# Altium PCB LAY-94611_B.PcbDoc (part 16 of 16)
Units mil, origin at the board's own origin, x right, y up, seen from the top; angles counter-clockwise.
Board outline 4133.86 x 2559.05 mil, 10 copper layers (TOP, GND02, ART03, PWR04, PWR05, ART06, GND7, ART08, GND09, BOTTOM), stack 57.82 mil thick; 1104 components, 727 nets, 3774 pads, 1630 vias.
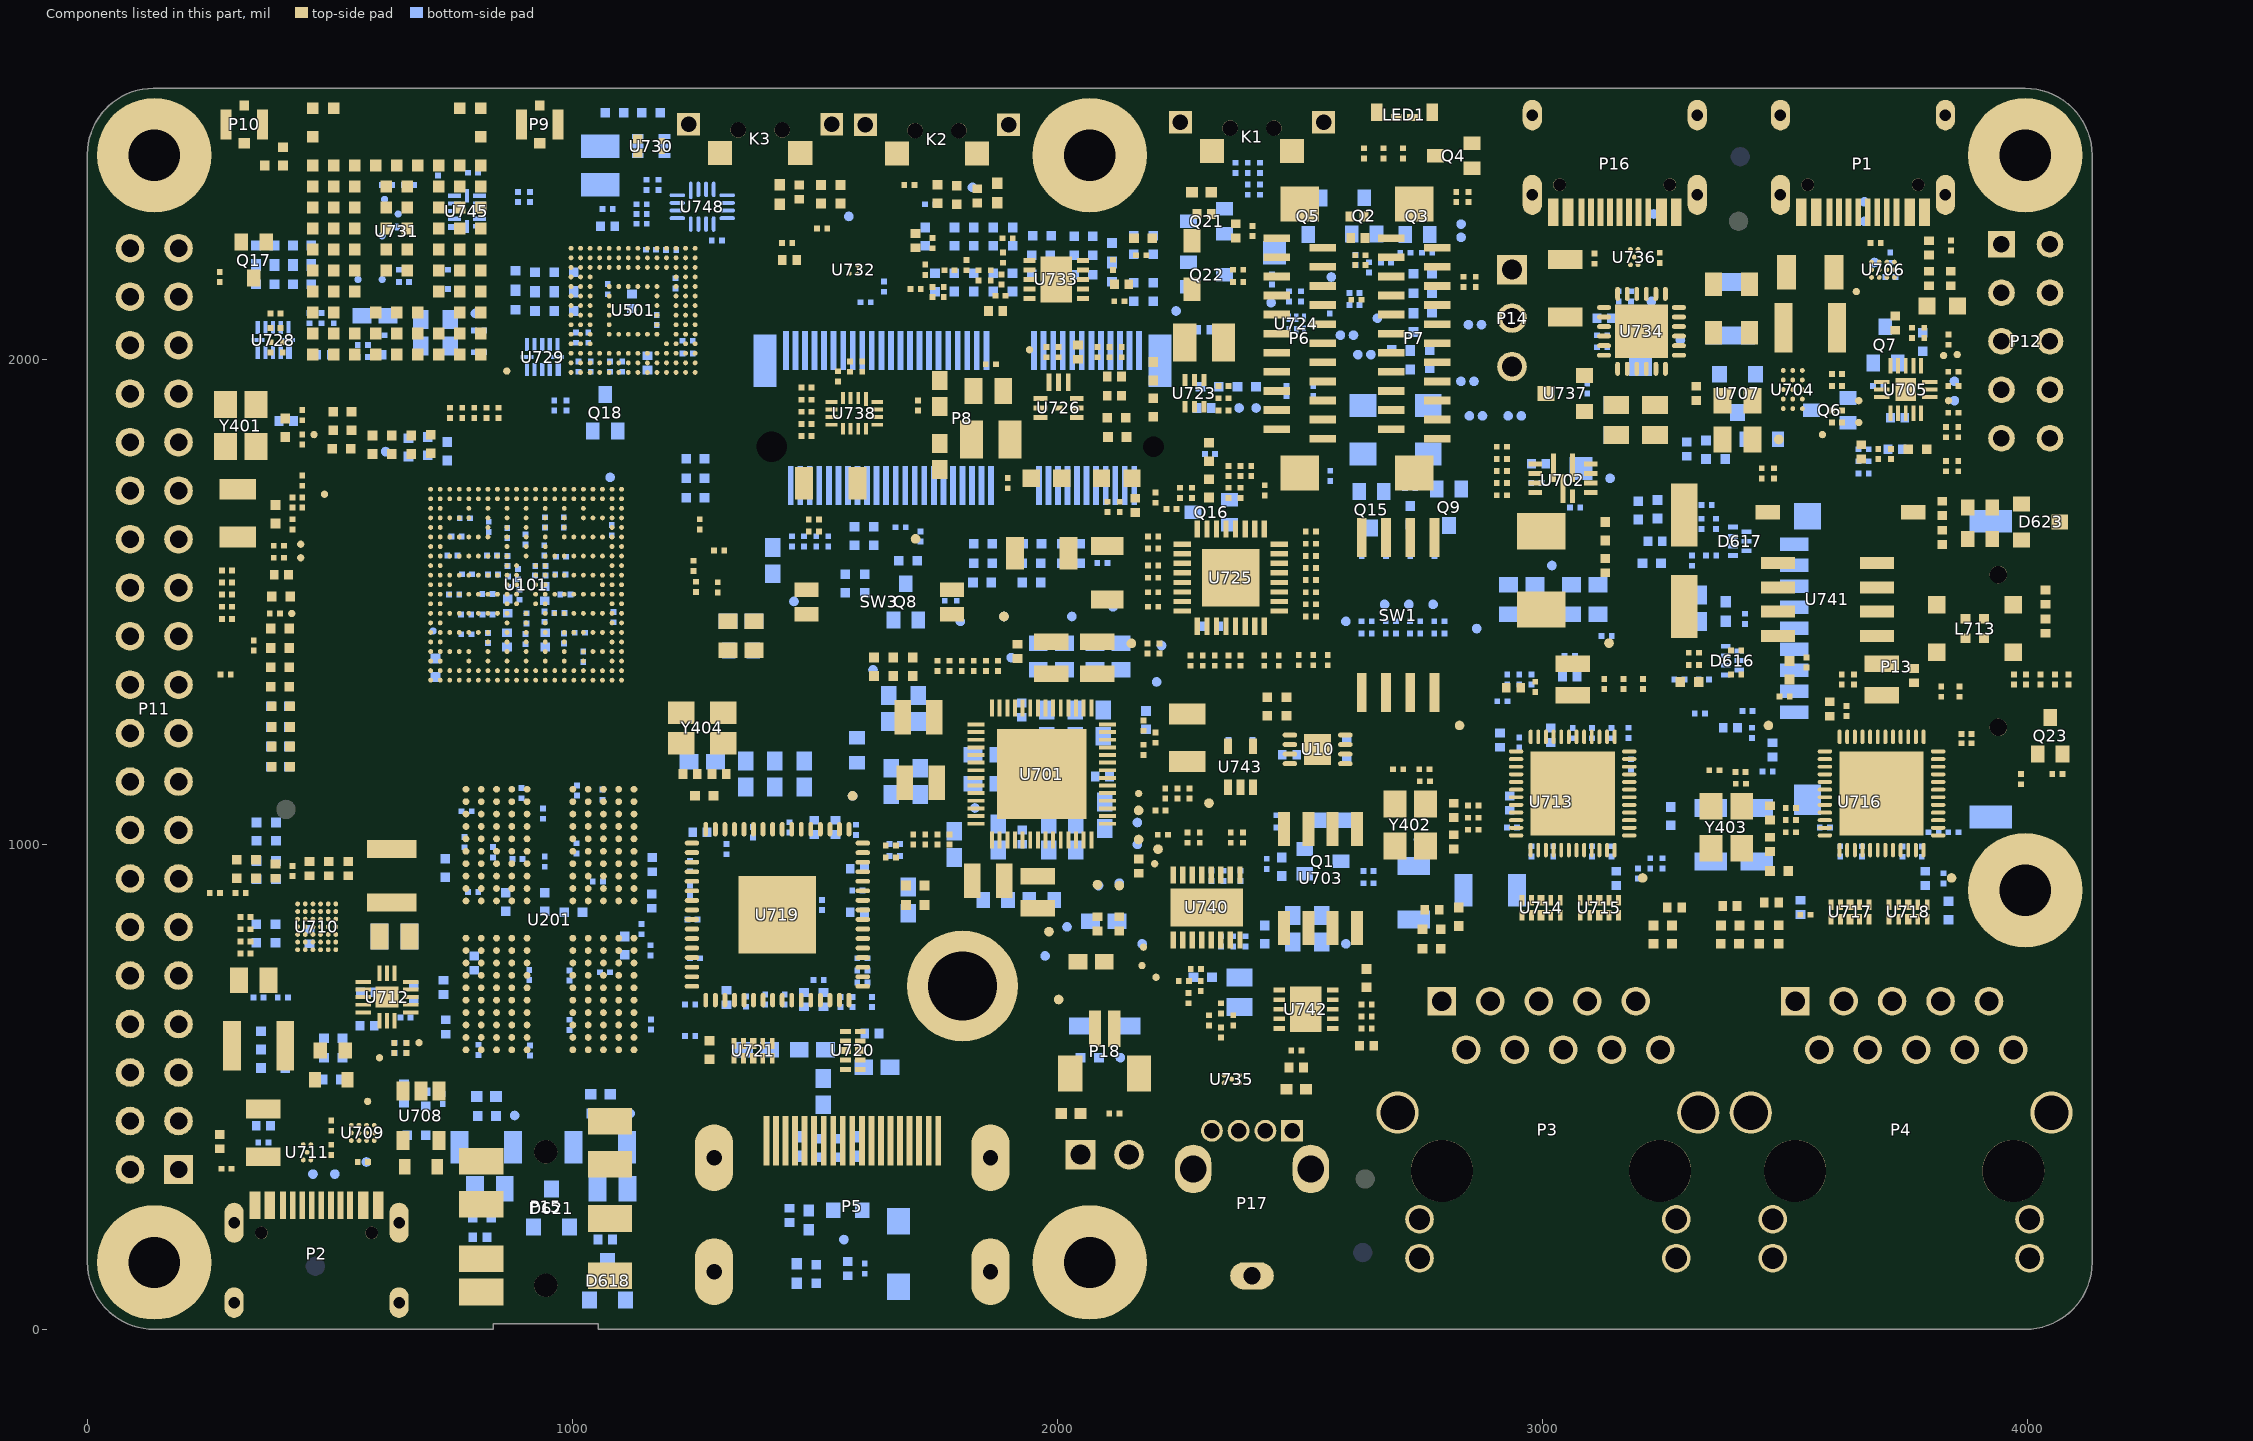
[diagram p24: the components of this part, seen from the top]

## Silkscreen, mask and mechanical layers (free items; w line width, h text height)
Top Overlay:
  drawing of 1397 lines, arcs and shapes, not listed
  text "ON" at 2155,2505 h45
  text "DEBUG" at 2941,2351 h45 r90
  text "POWER" at 3430,2350 h45 r90
  text "3V3" at 2565,2323 h30
  text "3V3" at 2352,2307 h30
  text "GND" at 2626,1894 h30 r90
  text "MIPI_CSI" at 2408,1891 h30 r90
  text "MIPI_DSI" at 2865,1889 h30 r90
  text "U101" at 825,1770 h30
  text "GND" at 2795,1748 h30
  text "0" at 2613,1683 h25
  text "1" at 2663,1682 h25
  text "2" at 2714,1682 h25
  text "3" at 2763,1681 h25
  text "BOOT" at 2465,1676 h25
  text "0-3" at 2801,1318 h25
  text "0100" at 2746,1241 h25
  text "eMMC" at 2619,1240 h25
  text "FRDM-IMX93" at 725,1210 h45
  text "1100" at 2745,1206 h25
  text "SD" at 2680,1203 h25
  text "1000" at 2746,1172 h25
  text "USB" at 2650,1169 h25
  text "13OF 16" at 5167,1006 h25
  text "13OF 16" at 5167,1006 h25
  text "PRIMARY SILKSCREEN" at 5692,1006 h25
  text "PRIMARY SILKSCREEN" at 5692,1006 h25
  text "ENET1" at 2967,761 h45
  text "ENET2" at 3560,760 h45
  text "3V" at 2063,679 h30
  text "HDMI" at 1570,462 h45
  text "MQS_L" at 805,396 h30 r90
  text "MQS_R" at 1200,275 h30 r90
  text "RESET" at 1921,272 h30
  text "GND" at 2121,270 h30
  text "GND" at 1202,123 h30 r90
  text "USB2_A" at 2585,35 h45 r90
  text "MQS" at 1140,22 h45
  text "USB1_C" at 730,14 h45 r90
Bottom Overlay:
  drawing of 169 lines, arcs and shapes, not listed
  text "ONOFF" at 2472,2509 h30
  text "BTN2" at 1445,2508 h30
  text "BTN1" at 1808,2506 h30
  text "3V3" at 3902,2285 h30 r90
  text "5V" at 4119,2271 h30 r90
  text "GND" at 315,2219 h30
  text "SW_CLK" at 3157,2172 h30
  text "A1" at 4118,2169 h30 r90
  text "A0" at 3902,2165 h30 r90
  text "GND" at 4117,2086 h30 r90
  text "INT" at 3901,2085 h30 r90
  text "E" at 1917,2081 h30
  text "DIO" at 3071,2073 h30
  text "SCL" at 3903,1980 h30 r90
  text "GND" at 3072,1971 h30
  text "H" at 4117,1953 h30 r90
  text "GND" at 18,1890 h30 r270
  text "SDA" at 3903,1872 h30 r90
  text "L" at 4118,1852 h30 r90
  text "CAN" at 4116,1739 h30
  text "GND" at 15,1690 h30 r270
  text "E" at 1933,1650 h30
  text "SCH-94611 REV B" at 2730,1295 h30
  text "700-94611 REV B" at 1135,1215 h30
  text "GND" at 16,1195 h30 r270
  text "2024 NXP SEMICONDUCTORS" at 2820,1100 h30
  text "16 OF 16" at 5164,1006 h25
  text "16 OF 16" at 5164,1006 h25
  text "SECONDARY SILKSCREEN" at 5664,1006 h25
  text "SECONDARY SILKSCREEN" at 5664,1006 h25
  text "GND" at 15,886 h30 r270
  text "GND" at 322,717 h30
  text "IO4" at 324,617 h30
  text "IO3" at 320,519 h30
  text "GND" at 15,489 h30 r270
  text "IO2" at 323,416 h30
  text "S/N" at 3870,360 h30
  text "5V" at 14,355 h30 r270
  text "3V3" at 324,316 h30
Top Paste:
  text "12OF 16" at 5167,1006 h25
  text "12OF 16" at 5167,1006 h25
  text "PASTEMASK TOP" at 5842,1006 h25
  text "PASTEMASK TOP" at 5842,1006 h25
Bottom Paste:
  text "15 OF 16" at 5161,1010 h25
  text "15 OF 16" at 5161,1010 h25
  text "SECONDARY PASTEMASK" at 5711,1010 h25
  text "SECONDARY PASTEMASK" at 5711,1010 h25
Top Solder:
  text "11OF 16" at 5167,1006 h25
  text "11OF 16" at 5167,1006 h25
  text "PRIMARY SOLDERMASK" at 5692,1006 h25
  text "PRIMARY SOLDERMASK" at 5692,1006 h25
Bottom Solder:
  text "14 OF 16" at 5161,1006 h25
  text "14 OF 16" at 5161,1006 h25
  text "SECONDARY SOLDERMASK" at 5661,1006 h25
  text "SECONDARY SOLDERMASK" at 5661,1006 h25
Outline:
  lines w1: 2066.93,0 1053.15,0 ; 0,137.79 ccw(c137.8,137.8) 137.8,0 ; 0,137.79 0,2421.26 ; 0,137.79 0,2421.26 ; 0,2421.26 cw(c137.79,2421.26) 137.8,2559.05 1315,2559.05 1460,2559.05 3996.07,2559.05 cw(c3996.07,2421.26) 4133.86,2421.26 ; 137.8,0 836.62,0 ; 137.8,0 836.62,0 ; 836.62,0 836.62,11.81 ; 836.62,0 836.62,11.81 ; 836.62,11.81 1053.15,11.81 1053.15,0 ; 1053.15,0 3996.07,0 ; 1053.15,0 3996.07,0 ; 3996.07,0 ccw(c3996.07,137.79) 4133.86,137.79 ; 4133.86,137.79 4133.86,2421.26 ; 4133.86,137.79 4133.86,2421.26
Top Courtyard:
  region: 354.4,1047.16 354.4,1097.16 384.4,1127.16 434.4,1127.16 464.4,1097.16 464.4,1047.16 434.4,1017.16 384.4,1017.16
  region: 2580,285 2580,335 2610,365 2660,365 2690,335 2690,285 2660,255 2610,255
  region: 3350,2260 3350,2310 3380,2340 3430,2340 3460,2310 3460,2260 3430,2230 3380,2230
Top Value:
  text "DEV" at 3330,2485 h51
  text "DEV" at 334.4,1272.16 h51
  text "DEV" at 2560,510 h51
Bottom Value:
  text "DEV" at 2704.9,358.16 h51
  text "DEV" at 545,330 h51
V Cut:
  drawing of 1789 lines, arcs and shapes, not listed
  text "V-cut" at 28.7,5721.29 h45 r90
  text "V-cut" at 28.7,5721.29 h45 r90
  text "V-cut" at 4162.57,5596.29 h45 r90
  text "V-cut" at 4162.57,5596.29 h45 r90
  text "5314.95" at -2440,5274.95 h80
  text "5314.95" at -2440,5274.95 h80
  text "135" at -1740,5274.95 h80
  text "135" at -1740,5274.95 h80
  text "2755.90" at -2400,2715.9 h80
  text "2755.90" at -2400,2715.9 h80
  text "70" at -1700,2715.9 h80
  text "70" at -1700,2715.9 h80
  text "2559.05" at -2375,2519.05 h80
  text "2559.05" at -2375,2519.05 h80
  text "65" at -1675,2519.05 h80
  text "65" at -1675,2519.05 h80
  text "137.79" at -2195,97.79 h80
  text "137.79" at -2195,97.79 h80
  text "3" at -1575,97.79 h80
  text "3" at -1575,97.79 h80
  text "0" at -1820,-40 h80
  text "0" at -1820,-40 h80
  text "0" at -1600,-40 h80
  text "0" at -1600,-40 h80
  text "FRDM-IMX93 REV B PANEL" at 550,-1175 h100
  text "4" at 177.8,-1725 h80 r90
  text "4" at 177.8,-1725 h80 r90
  text "0" at 40,-1775 h80 r90
  text "0" at 40,-1775 h80 r90
  text "110" at 4370.72,-1865 h80 r90
  text "110" at 4370.72,-1865 h80 r90
  text "105" at 4173.87,-1890 h80 r90
  text "105" at 4173.87,-1890 h80 r90
  text "0" at 40,-1995 h80 r90
  text "0" at 40,-1995 h80 r90
  text "137.80" at 177.8,-2345 h80 r90
  text "137.80" at 177.8,-2345 h80 r90
  text "4330.72" at 4370.72,-2565 h80 r90
  text "4330.72" at 4370.72,-2565 h80 r90
  text "4133.87" at 4173.87,-2590 h80 r90
  text "4133.87" at 4173.87,-2590 h80 r90
  text "D=The board thickness" at 1687.87,-3435.65 h51
  text "D=The board thickness" at 1687.87,-3435.65 h51
  text "B=0.35 0.1MM(0.8MM D 1.2MM)" at 1689.74,-3584.04 h51
  text "B=0.35 0.1MM(0.8MM D 1.2MM)" at 1689.74,-3584.04 h51
  text "B=0.40 0.1MM(1.2MM D 1.6MM)" at 1689.74,-3721.84 h51
  text "B=0.40 0.1MM(1.2MM D 1.6MM)" at 1689.74,-3721.84 h51
  text "B=0.50 0.1MM(1.6MM D 2.5MM)" at 1689.74,-3859.63 h51
  text "B=0.50 0.1MM(1.6MM D 2.5MM)" at 1689.74,-3859.63 h51
  text "Please confirm with EQ if the board thickness" at 1687.87,-4022.27 h51
  text "Please confirm with EQ if the board thickness" at 1687.87,-4022.27 h51
  text "is D<0.8MM or D>2.5MM when using V-CUT" at 1673.69,-4157.38 h51
  text "is D<0.8MM or D>2.5MM when using V-CUT" at 1673.69,-4157.38 h51
  text "C 0.5mm(Design Recommend)" at 1687.77,-4334.96 h25
  text "C 0.5mm(Design Recommend)" at 1687.77,-4334.96 h25
Sheet:
  drawing of 2547 lines, arcs and shapes, not listed
  text "FORLINX" at 20734,13609 h80
  text "4/9/2024" at 19717,13595 h80
  text "B" at 15170.41,13587.2 h125
  text "170-94611" at 14444.41,-3944.8 h175
  text "THIS DOCUMENT CONTAINS INFORMATION" at 13854.41,-4184.8 h63
  text "___ PUBI (PUBLIC INFORMATION)" at 11010.41,-4219.8 h63
  text "NXP SEMICONDUCTORS" at 17261.41,-4308.8 h225
  text "PROPRIETARY TO NXP AND SHALL" at 13854.41,-4309.8 h63
  text "NOT BE USED FOR ENGINEERING DESIGN" at 13854.41,-4434.8 h63
  text "___ NIUO (NXP INTERNAL USE ONLY)" at 11010.41,-4519.8 h63
  text "X" at 11050.41,-4519.8 h100
  text "PROCUREMENT OR MANUFACTURE IN WHOLE" at 13854.41,-4559.8 h63
  text "OR IN PART WITHOUT THE CONSENT OF" at 13854.41,-4684.8 h63
  text "NXP." at 13854.41,-4809.8 h63
  text "___ NCP (NXP CONFIDENTIAL PROPRIETARY)" at 11010.41,-4819.8 h63
  text "6501 WILLIAM CANNON DRIVE WEST  AUSTIN, TEXAS 78735 USA" at 16444.41,-4864.8 h94
  text "ALL PARTS, MATERIALS AND FINISHED" at 8584.73,-5141.18 h63
  text "ASSEMBLY SHALL MEET THE RoHS" at 8584.73,-5225.18 h63
  text "COMMISSION DELEGATED DIRECTIVE (EU)" at 8584.73,-5309.18 h63
  text "2015/863 OF 31 MARCH  2015 AMENDING" at 8584.73,-5393.18 h63
  text "FRDM-IMX93" at 17871,-5435 h175
  text "04/09/24" at 15504.41,-5449.8 h100
  text "FORLINX" at 13910.41,-5461.8 h100
  text "ANNEX II TO DIRECTIVE 2011/65/EU. A" at 8584.73,-5477.18 h63
  text "CERTIFICATE OF COMPLIANCE IS" at 8584.73,-5561.18 h63
  text "REQUIRED UPON REQUEST." at 8584.73,-5645.18 h63
  text "FORLINX" at 13900,-5870 h100
  text "04/09/24" at 15500.41,-5869.8 h100
  text "ALL PARTS, MATERIALS AND FINISHED" at 8560.73,-6100.18 h63
  text "ASSEMBLY SHALL NOT CONTAIN ANY OF" at 8560.73,-6184.18 h63
  text "FORLINX" at 13930,-6225 h100
  text "04/09/24" at 15494.41,-6264.8 h100
  text "THE SUBSTANCES OF VERY HIGH CONCERN" at 8560.73,-6268.18 h63
  text "B" at 21210.7,-6273.26 h175
  text "LAY-94611" at 16784.41,-6284.8 h125
  text "FAB-94611" at 18890.41,-6284.8 h175
  text "(SVHC) ABOVE THE THRESHOLD VALUE PER" at 8560.73,-6352.18 h63
  text "THE CURRENT ECHA LIST OF SVHC'S AND" at 8560.73,-6436.18 h63
  text "WITH ANNEX XIV AND ANNEX XVII OF REACH" at 8560.73,-6515.18 h63
  text "DIRECTIVE 76/769/EEC. A CERTIFICATE OF" at 8560.73,-6599.18 h63
  text "COMPLIANCE IS REQUIRED UPON REQUEST." at 8560.73,-6683.18 h63
  text "1/1" at 16830.41,-6684.8 h125
  text "1" at 20380.41,-6684.8 h125
  text "1" at 21280.41,-6684.8 h125
Component Holes:
  drawing of 206 lines, arcs and shapes, not listed
Top Pin Number:
  text "1" at 3418.4,2418.16 h25
  text "1" at 3395,2285 h25
  text "1" at 399.4,1072.16 h25
  text "1" at 2625,310 h25
  text "1" at 2639.9,158.16 h25
  text "1" at 480,130 h25
Dimensions - Btn LED MIPI:
  drawing of 9428 lines, arcs and shapes, not listed
  text "66,26mm" at 2467.7,3729.21 h80
  text "66,26mm" at 2467.7,3729.21 h80
  text "57mm" at 2746.02,3530.57 h80
  text "57mm" at 2746.02,3530.57 h80
  text "40,5mm" at 3006.82,3332.33 h80
  text "40,5mm" at 3006.82,3332.33 h80
  text "32.5mm" at 3164.4,3140.35 h80
  text "32.5mm" at 3164.4,3140.35 h80
  text "38mm" at 3120.03,2956.39 h80
  text "38mm" at 3120.03,2956.39 h80
  text "32mm" at 3238.14,2750.69 h80
  text "32mm" at 3238.14,2750.69 h80
  text "27mm" at 3336.39,2445.04 h80
  text "27mm" at 3336.39,2445.04 h80
  text "9,6mm" at 4196.68,2192.91 h80
  text "9,6mm" at 4196.68,2192.91 h80
  text "11mm" at 4514.39,2163.92 h80
  text "11mm" at 4514.39,2163.92 h80
Dimensions - Module:
  drawing of 4890 lines, arcs and shapes, not listed
  text "105mm" at 2016.93,3105.49 h25
  text "98mm" at 2026.93,2869.78 h25
  text "3.5mm" at 4428.18,2813.03 h25
  text "49mm" at 1062.36,2683.55 h25
  text "dia 2.7mm" at 488.41,2447.04 h25
  text "dia 6mm" at 502.96,2220.04 h25
  text "1.2mm" at 4609.56,2179.04 h25
  text "3.5mm" at 4363.81,2037.57 h25
  text "29mm" at -266.91,1811.02 h25
  text "38mm" at 4204.74,1633.86 h25
  text "65mm" at -624.98,1238.29 h25
  text "58mm" at -461.54,1237.72 h25
  text "29mm" at -266.91,669.29 h25
  text "2mm" at 4227.78,259.78 h25
  text "12mm" at 196.22,-201.33 h25
  text "8.5mm" at 2617.24,-219.23 h25
  text "24mm" at 432.44,-386.88 h25
  text "24mm" at 2499.37,-426.08 h25
  text "1.2mm" at -276.45,-427.26 h25
  text "40mm" at 747.4,-563.18 h25
  text "42.5mm" at 2843.55,-636.83 h25
  text "52.5mm" at 973.47,-747.12 h25
Bottom Courtyard:
  region: 3463.4,2393.16 3463.4,2443.16 3433.4,2473.16 3383.4,2473.16 3353.4,2443.16 3353.4,2393.16 3383.4,2363.16 3433.4,2363.16
  region: 525,105 525,155 495,185 445,185 415,155 415,105 445,75 495,75
  region: 2684.9,133.16 2684.9,183.16 2654.9,213.16 2604.9,213.16 2574.9,183.16 2574.9,133.16 2604.9,103.16 2654.9,103.16
Bottom Component Outline:
  lines w1: -25,0 25,0 ; 0,-25 0,25
Film Title Block:
  lines w10: 5117,1171 9117,1171 ; 5117,1471 5117,1671 9117,1671 ; 5617,971 5617,1171 ; 6867,1671 6867,1971 ; 6872,971 6872,1171 ; 7367,971 7367,1171
  lines w20: 5117,971 5117,1971 9117,1971 9117,971 5117,971
  text "NAME" at 6897,1891 h35
  text "NXP SEMICONDUCTORS" at 5172,1861 h25
  text "FRDM-IMX93" at 7725,1775 h63
  text "6501 WILLIAM CANNON DRIVE WEST" at 5147,1771 h35
  text "AUSTIN. TEXAS 78735 USA" at 5147,1701 h35
  text "THIS DOCUMENT CONTAINS INFORMATION" at 5207,1601 h35
  text "X" at 7054.01,1575.33 h63
  text "___ COMPANY PUBLIC" at 6997,1571 h35
  text "PROPRIETARY TO NXP AND SHALL NOT" at 5217,1521 h35
  text "BE USED FOR ENGINEERING DESIGN" at 5217,1441 h35
  text "___ COMPANY INTERNAL" at 6997,1411 h35
  text "PROCUREMENT OR MANUFACTURE IN WHOLE" at 5217,1361 h35
  text "OR IN PART WITHOUT THE CONSENT OF" at 5217,1281 h35
  text "___ COMPANY CONFIDENTIAL" at 6997,1246 h35
  text "NXP." at 5227,1201 h35
  text "SHEET" at 5147,1091 h35
  text "FILM" at 5647,1091 h35
  text "NUMBER" at 7397,1091 h35
  text "170-94611      REV B" at 7727,1021 h63
  text "24-06-24" at 6917,1011 h35
DXF - BOTTOM CONNECTOR OUTLINES:
  drawing of 2008 lines, arcs and shapes, not listed
  text "P43" at 1285.62,1857.68 h25 r90
  text "P3" at 3526.97,1211.65 h25 r90
TEMPORARY SWAP LAYER:
  drawing of 6909 lines, arcs and shapes, not listed
  text "4/9/2024" at 19778,13602 h80
  text "FORLINX" at 20769,13602 h80
  text "B" at 15170.41,13587.2 h125
  text "B" at 15170.41,13587.2 h125
  text "1. THIS DRAWING SPECIFIES THE REQUIREMENTS FOR A" at -10445.59,13215.2 h94
  text "1. THIS DRAWING SPECIFIES THE REQUIREMENTS FOR A" at -10445.59,13215.2 h94
  text "PRINTED WIRING BOARD IN ACCORDANCE" at -6145.59,13215.2 h94
  text "PRINTED WIRING BOARD IN ACCORDANCE" at -6145.59,13215.2 h94
  text "THE TOTAL THICKNESS:" at 4725.1,13140.43 h225
  text "THE TOTAL THICKNESS:" at 4725.1,13140.43 h225
  text "1.6MM +/- 10%" at 9489.59,13115.78 h225
  text "1.6MM +/- 10%" at 9489.59,13115.78 h225
  text "WITH SPECIFICATION IPC-A-600 CLASS 2 (LATEST REVISION)." at -10435.59,13015.2 h94
  text "WITH SPECIFICATION IPC-A-600 CLASS 2 (LATEST REVISION)." at -10435.59,13015.2 h94
  text "2. THE PWB MUST BE LEAD FREE ASSEMBLY PROCESS COMPATIBLE AND MUST BE ABLE TO HANDLE" at -10445.59,12615.2 h94
  text "2. THE PWB MUST BE LEAD FREE ASSEMBLY PROCESS COMPATIBLE AND MUST BE ABLE TO HANDLE" at -10445.59,12615.2 h94
  text "DIELECTRIC" at 9938.57,12460.99 h94
  text "DIELECTRIC" at 9938.57,12460.99 h94
  text "A MINIMUM OF 5 CYCLES AT 260 DEGREES CELSIUS FOR 10 SECONDS." at -10345.59,12415.2 h94
  text "A MINIMUM OF 5 CYCLES AT 260 DEGREES CELSIUS FOR 10 SECONDS." at -10345.59,12415.2 h94
  text "LAYERS STACKUP" at 4566.57,12384.77 h94
  text "LAYERS STACKUP" at 4566.57,12384.77 h94
  text "LAYER" at 6507.69,12384.77 h94
  text "LAYER" at 6507.69,12384.77 h94
  text "MATERIAL" at 7159.86,12384.77 h94
  text "MATERIAL" at 7159.86,12384.77 h94
  text "THICKNESS" at 7941.56,12384.77 h94
  text "THICKNESS" at 7941.56,12384.77 h94
  text "LAYER TYPE" at 8866.64,12384.77 h94
  text "LAYER TYPE" at 8866.64,12384.77 h94
  text "LOSS TANGENT" at 11138.57,12360.99 h94
  text "LOSS TANGENT" at 11138.57,12360.99 h94
  text "CONSTANT" at 9938.57,12260.99 h94
  text "CONSTANT" at 9938.57,12260.99 h94
  text "3. BASE MATERIAL - LAMINATE AND PREPREG SHALL MEET IPC-4101B-26, 83 or 98" at -10445.59,12015.2 h94
  text "3. BASE MATERIAL - LAMINATE AND PREPREG SHALL MEET IPC-4101B-26, 83 or 98" at -10445.59,12015.2 h94
  text "COPPER" at 7279.49,11912.33 h94
  text "COPPER" at 7279.49,11912.33 h94
  text "ROUTING" at 8971.64,11912.33 h94
  text "ROUTING" at 8971.64,11912.33 h94
  text "0.5 oz" at 8059.4,11908.38 h94
  text "0.5 oz" at 8059.4,11908.38 h94
  text "TOP" at 6575.3,11881.96 h94
  text "TOP" at 4944.3,11872.96 h94
  text "TOP" at 4944.3,11872.96 h94
  text "Tg - MUST BE GREATER THAN OR EQUAL TO 150 DEGREES CELSIUS." at -8599.59,11815.2 h94
  text "Tg - MUST BE GREATER THAN OR EQUAL TO 150 DEGREES CELSIUS." at -8599.59,11815.2 h94
  text "FR4" at 7384.49,11597.37 h94
  text "FR4" at 7384.49,11597.37 h94
  text "2.61MIL" at 8059.4,11591.51 h94
  text "2.61MIL" at 8059.4,11591.51 h94
  text "Td - MUST BE GREATER THAN OR EQUAL TO 330 DEGREES CELSIUS." at -8595.59,11591.2 h94
  text "Td - MUST BE GREATER THAN OR EQUAL TO 330 DEGREES CELSIUS." at -8595.59,11591.2 h94
  text "4.2" at 10083.27,11580.51 h94
  text "0.02" at 11469.18,11580.51 h94
  text "PREPREG" at 6395,11567 h94
  text "PREPREG" at 4764,11558 h94
  text "PREPREG" at 4764,11558 h94
  text "Er - MUST BE FROM 4.2 TO 4.4" at -8592.59,11400.2 h94
  text "COPPER" at 7279.49,11284.77 h94
  text "COPPER" at 7279.49,11284.77 h94
  text "PLANE" at 9041.64,11282.41 h94
  text "PLANE" at 9041.64,11282.41 h94
  text "1 OZ" at 8059.4,11265.41 h94
  text "1 OZ" at 8059.4,11265.41 h94
  text "L2 GND" at 6349.92,11252.04 h94
  text "L2 GND" at 4718.92,11243.04 h94
  text "L2 GND" at 4718.92,11243.04 h94
  text "4. COPPER FOIL WEIGHT - SEE STACKUP DETAIL 'A'" at -10445.59,11115.2 h94
  text "4. COPPER FOIL WEIGHT - SEE STACKUP DETAIL 'A'" at -10445.59,11115.2 h94
  text "CORE" at 6566.25,10975.62 h94
  text "CORE" at 4935.25,10966.62 h94
  text "FR4" at 7400,10945 h94
  text "3MIL" at 8093.17,10943.65 h94
  text "3MIL" at 8093.17,10943.65 h94
  text "4.2" at 10083.27,10941.51 h94
  text "0.02" at 11469.18,10941.51 h94
  text "5. CHARACTERISTIC IMPEDANCE - SEE DETAIL \"B\"" at -10445.59,10715.2 h94
  text "5. CHARACTERISTIC IMPEDANCE - SEE DETAIL \"B\"" at -10445.59,10715.2 h94
  text "1 OZ" at 8059.4,10660.41 h94
  text "1 OZ" at 8059.4,10660.41 h94
  text "COPPER" at 7279.49,10654.85 h94
  text "COPPER" at 7279.49,10654.85 h94
  text "ROUTING" at 8997.32,10638.76 h94
  text "ROUTING" at 8997.32,10638.76 h94
  text "L3 IN" at 6349.92,10622.12 h94
  text "L3 IN" at 4718.92,10613.12 h94
  text "L3 IN" at 4718.92,10613.12 h94
  text "FR4" at 7400,10330 h94
  text "6. MINIMUM CONDUCTIVE WIDTH/SPACING TO BE .008\"/.008\"" at -10445.59,10315.2 h94
  text "6. MINIMUM CONDUCTIVE WIDTH/SPACING TO BE .008\"/.008\"" at -10445.59,10315.2 h94
  text "8.8MIL" at 8021.2,10309.71 h94
  text "8.8MIL" at 8021.2,10309.71 h94
  text "PREPREG" at 6395,10307.16 h94
  text "4.2" at 10083.27,10307.11 h94
  text "0.02" at 11469.18,10307.11 h94
  text "PREPREG" at 4764,10298.16 h94
  text "PREPREG" at 4764,10298.16 h94
  text "PLANE" at 9046.32,10026.06 h94
  text "PLANE" at 9046.32,10026.06 h94
  text "COPPER" at 7279.49,10024.93 h94
  text "COPPER" at 7279.49,10024.93 h94
  text "1 OZ" at 8059.4,10016.41 h94
  text "1 OZ" at 8059.4,10016.41 h94
  text "L4 PWR" at 6349.92,9992.2 h94
  text "L4 POWER" at 4718.92,9983.2 h94
  text "L4 POWER" at 4718.92,9983.2 h94
  text "7. PLATING FINISH - BOTH SIDES ENIG (ELECTROLESS NICKEL IMMERSION GOLD):" at -10445.59,9915.2 h94
  text "7. PLATING FINISH - BOTH SIDES ENIG (ELECTROLESS NICKEL IMMERSION GOLD):" at -10445.59,9915.2 h94
  text "FR4" at 7450,9725 h94
  text "CORE" at 6395.76,9716.2 h94
  text ".05080-.232 MICRON (2-8 MICROINCH) OF GOLD OVER" at -8625.59,9715.2 h94
  text ".05080-.232 MICRON (2-8 MICROINCH) OF GOLD OVER" at -8625.59,9715.2 h94
  text "CORE" at 4764.76,9707.2 h94
  text "4MIL" at 8123.93,9703.57 h94
  text "4MIL" at 8123.93,9703.57 h94
  text "4.2" at 10083.27,9675.21 h94
  text "0.02" at 11469.18,9675.21 h94
  text "2.540-6.350 MICRON (100-250 MICROINCH) OF NICKEL." at -8879.59,9515.2 h94
  text "2.540-6.350 MICRON (100-250 MICROINCH) OF NICKEL." at -8879.59,9515.2 h94
  text "PLANE" at 9041.64,9393.77 h94
  text "PLANE" at 9041.64,9393.77 h94
  text "1 OZ" at 8059.4,9390.41 h94
  text "1 OZ" at 8059.4,9390.41 h94
  text "COPPER" at 7279.49,9375.05 h94
  text "COPPER" at 7279.49,9375.05 h94
  text "L5 PWR" at 6349.92,9362.27 h94
  text "L5 POWER" at 4718.92,9353.27 h94
  text "L5 POWER" at 4718.92,9353.27 h94
  text "8. ALL THROUGH HOLE VIAS MAY BE PLATED SHUT." at -10445.59,9115.2 h94
  text "8. ALL THROUGH HOLE VIAS MAY BE PLATED SHUT." at -10445.59,9115.2 h94
  text "8.8MIL" at 8059.4,9082.11 h94
  text "8.8MIL" at 8059.4,9082.11 h94
  text "FR4" at 7390,9080 h94
  text "4.2" at 10083.27,9071.11 h94
  text "0.02" at 11469.18,9071.11 h94
  text "PREPREG" at 6395,9047.31 h94
  text "PREPREG" at 4764,9038.31 h94
  text "PREPREG" at 4764,9038.31 h94
  text "21" at 13894.24,8941.7 h125
  text "1 oz" at 8059.4,8799.41 h94
  text "1 oz" at 8059.4,8799.41 h94
  text "L6 IN" at 6420,8785 h94
  text "L6 IN" at 4756.5,8748 h94
  text "COPPER" at 7279.49,8747.65 h94
  text "COPPER" at 7279.49,8747.65 h94
  text "ROUTING" at 8971.64,8747.65 h94
  text "ROUTING" at 8971.64,8747.65 h94
  text "9. SOLDERMASK -MATTE BLACK COLOR BOTH SIDES." at -10445.59,8715.2 h94
  text "9. SOLDERMASK -MATTE BLACK COLOR BOTH SIDES." at -10445.59,8715.2 h94
  text "8" at 13813.84,8702.73 h125
  text "MODIFICATION OF SOLDERMASK IS NOT ALLOWED WITHOUT WRITTEN PERMISSION FROM NXP" at -10439.59,8515.2 h94
  text "MODIFICATION OF SOLDERMASK IS NOT ALLOWED WITHOUT WRITTEN PERMISSION FROM NXP" at -10439.59,8515.2 h94
  text "CORE" at 6566.25,8450.62 h94
  text "CORE" at 4935.25,8441.62 h94
  text "4MIL" at 8093.17,8418.65 h94
  text "4.2" at 10083.27,8416.51 h94
  text "0.02" at 11469.18,8416.51 h94
  text "FR4" at 7345,8410 h94
  text "PLANE" at 9055,8150 h94
  text "1 OZ" at 8059.4,8135.41 h94
  text "COPPER" at 7279.49,8129.85 h94
  text "10. SILKSCREEN - WHITE EPOXY INK, BOTH SIDES.  NO SILK ON PADS." at -10445.59,8115.2 h94
  text "10. SILKSCREEN - WHITE EPOXY INK, BOTH SIDES.  NO SILK ON PADS." at -10445.59,8115.2 h94
  text "L7 GND" at 6400,8115 h94
  text "L7 GND" at 4718.92,8088.12 h94
  text "FR4" at 7400,7835 h94
  text "8.8MIL" at 8021.2,7784.71 h94
  text "PREPREG" at 6395,7782.16 h94
  text "4.2" at 10083.27,7782.11 h94
  text "0.02" at 11469.18,7782.11 h94
  text "PREPREG" at 4764,7773.16 h94
  text "11. ELECTRICAL TEST - 100% IPCD356.PCB FABRICATOR TO PERFORM A NET COMPARE AGAINST THE IPCD356 NETLIST PROVIDED BY NXP" at -10445.59,7715.2 h94
  text "11. ELECTRICAL TEST - 100% IPCD356.PCB FABRICATOR TO PERFORM A NET COMPARE AGAINST THE IPCD356 NETLIST PROVIDED BY NXP" at -10445.59,7715.2 h94
  text "COPPER" at 7279.49,7499.93 h94
  text "ROUTING" at 8945,7500 h94
  text "1 OZ" at 8059.4,7491.41 h94
  text "L8 IN" at 6400,7470 h94
  text "L8 IN" at 4718.92,7458.2 h94
  text "12. PRINTED WIRING BOARD IS TO BE INDIVIDUALLY BAGGED." at -10445.59,7315.2 h94
  text "12. PRINTED WIRING BOARD IS TO BE INDIVIDUALLY BAGGED." at -10445.59,7315.2 h94
  text "CORE" at 6395.76,7191.2 h94
  text "FR4" at 7460,7185 h94
  text "CORE" at 4764.76,7182.2 h94
  text "3MIL" at 8123.93,7178.57 h94
  text "4.2" at 10083.27,7150.21 h94
  text "0.02" at 11469.18,7150.21 h94
  text "13. DRC'S MUST BE RUN ON THE GERBER BEFORE BUILDING BOARDS," at -10445.59,6915.2 h94
  text "13. DRC'S MUST BE RUN ON THE GERBER BEFORE BUILDING BOARDS," at -10445.59,6915.2 h94
  text "PLANE" at 9041.64,6868.77 h94
  text "1 OZ" at 8059.4,6865.41 h94
  text "L9 GND" at 6410,6855 h94
  text "COPPER" at 7279.49,6850.05 h94
  text "L9 GND" at 4718.92,6828.27 h94
  text "UNLESS PRIOR APPROVAL IS GIVEN IN WRITING BY NXP." at -10445.59,6715.2 h94
  text "UNLESS PRIOR APPROVAL IS GIVEN IN WRITING BY NXP." at -10445.59,6715.2 h94
  text "FR4" at 7365,6585 h94
  text "2.61MIL" at 8059.4,6557.11 h94
  text "4.2" at 10083.27,6546.11 h94
  text "0.02" at 11469.18,6546.11 h94
  text "PREPREG" at 6395,6522.31 h94
  text "PREPREG" at 4764,6513.31 h94
  text "14. TEARDROPS MAYBE ADDED AT THE FAB HOUSE TO ALL SIGNAL LAYERS." at -10445.59,6315.2 h94
  text "14. TEARDROPS MAYBE ADDED AT THE FAB HOUSE TO ALL SIGNAL LAYERS." at -10445.59,6315.2 h94
  text "0.5 oz" at 8059.4,6274.41 h94
  text "COPPER" at 7279.49,6222.65 h94
  text "ROUTING" at 8971.64,6222.65 h94
  text "BOTTOM" at 6349.92,6207.35 h94
  text "BOTTOM" at 4718.92,6198.35 h94
  text "15. 2 SOLDER SAMPLES TO BE PROVIDED." at -10445.59,5915.2 h94
  text "15. 2 SOLDER SAMPLES TO BE PROVIDED." at -10445.59,5915.2 h94
  text "DETAIL A" at 7599.2,5728 h94
  text "16. SUPPLIER MARKINGS - ON SOLDER SIDE ONLY, WHERE SHOWN." at -10445.59,5114.2 h94
  text "16. SUPPLIER MARKINGS - ON SOLDER SIDE ONLY, WHERE SHOWN." at -10445.59,5114.2 h94
  text "- MUST BE UL RECOGNIZED AND MUST HAVE AN ID THAT CONFORMS TO UL94V-0" at -8425.59,4915.2 h94
  text "- MUST BE UL RECOGNIZED AND MUST HAVE AN ID THAT CONFORMS TO UL94V-0" at -8425.59,4915.2 h94
  text "17. THE PWB WILL BE MARKED AS LEAD FREE BY USE OF AN INK STAMP Pb" at -10445.59,4515.2 h94
  text "17. THE PWB WILL BE MARKED AS LEAD FREE BY USE OF AN INK STAMP Pb" at -10445.59,4515.2 h94
  text "18. THE PWB WILL BE MARKED AS LEAD FREE PROCESS COMPATIBLE BY USE OF AN INK STAMP 260 C" at -10445.59,4115.2 h94
  text "18. THE PWB WILL BE MARKED AS LEAD FREE PROCESS COMPATIBLE BY USE OF AN INK STAMP 260 C" at -10445.59,4115.2 h94
  text "19. ALL PLATED AND NON-PLATED THROUGH HOLES ARE TO BE DRILLED AT PRIMARY DRILL STEP." at -9747.99,3715.2 h94
  text "19. ALL PLATED AND NON-PLATED THROUGH HOLES ARE TO BE DRILLED AT PRIMARY DRILL STEP." at -9747.99,3715.2 h94
  text "ALL HOLE LOCATION TOLERANCES ARE TO BE +/-.002 IN REFERENCE TO THE PRIMARY DATUM." at -9405.19,3515.2 h94
  text "ALL HOLE LOCATION TOLERANCES ARE TO BE +/-.002 IN REFERENCE TO THE PRIMARY DATUM." at -9405.19,3515.2 h94
  text "20. FINISHED PCB MUST BE PANELIZED FOR ASSEMBLY ACCORDING TO CONTRACT MANUFACTURERS REQUIREMENTS." at -10445.59,3115.2 h94
  text "20. FINISHED PCB MUST BE PANELIZED FOR ASSEMBLY ACCORDING TO CONTRACT MANUFACTURERS REQUIREMENTS." at -10445.59,3115.2 h94
  text "THE ADDITION OF RAILS AND .125' NON-PLATED TOOLING HOLES ARE AT THE DISCRETION OF" at -10075.59,2915.2 h94
  text "THE ADDITION OF RAILS AND .125' NON-PLATED TOOLING HOLES ARE AT THE DISCRETION OF" at -10075.59,2915.2 h94
  text "CONTRACT MANUFACTURER.PANELIZATION MUST BE APPROVED BY CONTRACT MANUFACTURER." at -10075.59,2715.2 h94
  text "CONTRACT MANUFACTURER.PANELIZATION MUST BE APPROVED BY CONTRACT MANUFACTURER." at -10075.59,2715.2 h94
  text "21. THIS BOARD USES VIA-IN-PAD: SEE FAB_VIAFILL.ART" at -10878.76,2172.5 h94
  text "A. ALL VIAS USING 8.1 DRILL SIZES ARE TO BE FILLED WITH NON-CONDUCTIVE VIA FILL." at -10234.76,1969.5 h94
  text "LACKWERKE-PETERS PP2795 OR EQUIVALENT AND MADE PLANAR TO THE PADS." at -9866.76,1766.5 h94
  text "B. OVERPLATE THE FILLED VIA AND APPLY FINISH METAL TREATMENT." at -10234.76,1563.5 h94
  text "C. DIMPLE ON VIA-IN-PADS MUST BE NO GREATER THAN .003\" AND PROTRUSION NO GREATER THAN .002\"" at -10161.76,1356.5 h94
  text "DETAIL B" at 15755.51,870.29 h125
  text "DETAIL B" at 15755.51,870.29 h125
  text "IMPEDANCE REQUIREMENTS" at 15071.51,658.29 h125
  text "IMPEDANCE REQUIREMENTS" at 15071.51,658.29 h125
  text "IMPEDANCE TOLERANCE IS 10%" at 14871.51,458.29 h125
  text "IMPEDANCE TOLERANCE IS 10%" at 14871.51,458.29 h125
  text "Single Ended" at 8124.51,162.29 h63
  text "Single Ended" at 9774.51,162.29 h63
  text "Single Ended" at 9774.51,162.29 h63
  text "Differential" at 14320.51,154.29 h63
  text "Differential" at 14320.51,154.29 h63
  text "Impedance" at 12889.51,-38.71 h63
  text "Impedance" at 12889.51,-38.71 h63
  text "Impedance" at 15389.51,-38.71 h63
  text "Impedance" at 15389.51,-38.71 h63
  text "Impedance" at 18089.51,-38.71 h63
  text "Impedance" at 18089.51,-38.71 h63
  text "Impedance" at 8809.51,-43.71 h63
  text "Impedance" at 10459.51,-43.71 h63
  text "Impedance" at 10459.51,-43.71 h63
  text "Layers" at 7170.51,-45.71 h80
  text "Trace Spacing" at 11970.51,-45.71 h63
  text "Trace Spacing" at 11970.51,-45.71 h63
  text "Trace Spacing" at 14470.51,-45.71 h63
  text "Trace Spacing" at 14470.51,-45.71 h63
  text "Trace Spacing" at 17170.51,-45.71 h63
  text "Trace Spacing" at 17170.51,-45.71 h63
  text "Trace Width" at 7974.51,-53.71 h63
  text "Trace Width" at 9624.51,-53.71 h63
  text "Trace Width" at 9624.51,-53.71 h63
  text "Trace Width" at 11184.51,-53.71 h63
  text "Trace Width" at 11184.51,-53.71 h63
  text "Trace Width" at 13684.51,-53.71 h63
  text "Trace Width" at 13684.51,-53.71 h63
  text "Trace Width" at 16384.51,-53.71 h63
  text "Trace Width" at 16384.51,-53.71 h63
  text "(Mils)" at 8020.51,-145.71 h63
  text "(Ohms)" at 8820.51,-145.71 h63
  text "(Mils)" at 9670.51,-145.71 h63
  text "(Mils)" at 9670.51,-145.71 h63
  text "(Ohms)" at 10470.51,-145.71 h63
  text "(Ohms)" at 10470.51,-145.71 h63
  text "(Mils)" at 11220.51,-145.71 h63
  text "(Mils)" at 11220.51,-145.71 h63
  text "\"Airgap\"" at 11970.51,-145.71 h63
  text "\"Airgap\"" at 11970.51,-145.71 h63
  text "(Ohms)" at 12920.51,-145.71 h63
  text "(Ohms)" at 12920.51,-145.71 h63
  text "(Mils)" at 13720.51,-145.71 h63
  text "(Mils)" at 13720.51,-145.71 h63
  text "\"Airgap\"" at 14470.51,-145.71 h63
  text "\"Airgap\"" at 14470.51,-145.71 h63
  text "(Ohms)" at 15420.51,-145.71 h63
  text "(Ohms)" at 15420.51,-145.71 h63
  text "(Mils)" at 16420.51,-145.71 h63
  text "(Mils)" at 16420.51,-145.71 h63
  text "\"Airgap\"" at 17170.51,-145.71 h63
  text "\"Airgap\"" at 17170.51,-145.71 h63
  text "(Ohms)" at 18120.51,-145.71 h63
  text "(Ohms)" at 18120.51,-145.71 h63
  text "(Mils)" at 12158.51,-260.71 h63
  text "(Mils)" at 12158.51,-260.71 h63
  text "(Mils)" at 14658.51,-260.71 h63
  text "(Mils)" at 14658.51,-260.71 h63
  text "(Mils)" at 17358.51,-260.71 h63
  text "(Mils)" at 17358.51,-260.71 h63
  text "L1_TOP" at 7254.96,-434.28 h80
  text "3.62" at 8317.38,-436.73 h80
  text "13" at 9967.38,-436.73 h80
  text "3.49" at 13864.38,-445.23 h80
  text "90" at 15545.18,-444.7 h80
  text "2.79" at 16614.38,-445.23 h80
  text "100" at 18295.18,-444.7 h80
  text "50" at 9139.23,-453.18 h80
  text "50" at 10789.23,-453.18 h80
  text "5.34" at 14686.23,-461.68 h80
  text "6.01" at 17436.23,-461.68 h80
  text "PRIMARY DATUM" at -1124,-479.81 h188
  text "L3_IN1" at 7263.04,-810.78 h80
  text "50" at 9167.71,-814.11 h80
  text "GRID ORIGIN" at -1158,-821.81 h188
  text "3.34" at 13942.38,-824.13 h80
  text "90" at 15623.18,-823.6 h80
  text "6.66" at 14764.23,-840.58 h80
  text "3.09" at 8360.78,-843.43 h80
  text "50" at 9142.71,-1214.11 h80
  text "3.64" at 13867.38,-1224.13 h80
  text "90" at 15548.18,-1223.6 h80
  text "L6_IN2" at 7275,-1225 h80
  text "5.16" at 14689.23,-1240.58 h80
  text "4" at 8335.78,-1243.43 h80
  text "50" at 9117.71,-1614.11 h80
  text "3.34" at 13842.38,-1624.13 h80
  text "90" at 15523.18,-1623.6 h80
  text "2.81" at 16592.38,-1624.13 h80
  text "100" at 18273.18,-1623.6 h80
  text "L8_IN3" at 7275,-1625 h80
  text "6.66" at 14664.23,-1640.58 h80
  text "9.19" at 17414.23,-1640.58 h80
  text "3.09" at 8310.78,-1643.43 h80
  text "50" at 9178.23,-2024.74 h80
  text "3.62" at 8364.56,-2031.96 h80
  text "3.88" at 11427.38,-2035.43 h80
  text "85" at 13108.18,-2034.9 h80
  text "L10_BOT" at 7175.32,-2036.44 h80
  text "4.92" at 12249.23,-2051.88 h80
  text "3.49" at 13902.38,-2060.43 h80
  text "90" at 15583.18,-2059.9 h80
  text "2.79" at 16652.38,-2060.43 h80
  text "100" at 18333.18,-2059.9 h80
  text "5.34" at 14724.23,-2076.88 h80
  text "6.01" at 17474.23,-2076.88 h80
  text "D=The board thickness" at 1687.87,-3435.65 h51
  text "D=The board thickness" at 1687.87,-3435.65 h51
  text "B=0.35 0.1MM(0.8MM D 1.2MM)" at 1689.74,-3584.04 h51
  text "B=0.35 0.1MM(0.8MM D 1.2MM)" at 1689.74,-3584.04 h51
  text "B=0.40 0.1MM(1.2MM D 1.6MM)" at 1689.74,-3721.84 h51
  text "B=0.40 0.1MM(1.2MM D 1.6MM)" at 1689.74,-3721.84 h51
  text "B=0.50 0.1MM(1.6MM D 2.5MM)" at 1689.74,-3859.63 h51
  text "B=0.50 0.1MM(1.6MM D 2.5MM)" at 1689.74,-3859.63 h51
  text "170-94611" at 14444.41,-3944.8 h175
  text "170-94611" at 14444.41,-3944.8 h175
  text "Please confirm with EQ if the board thickness" at 1687.87,-4022.27 h51
  text "Please confirm with EQ if the board thickness" at 1687.87,-4022.27 h51
  text "is D<0.8MM or D>2.5MM when using V-CUT" at 1673.69,-4157.38 h51
  text "is D<0.8MM or D>2.5MM when using V-CUT" at 1673.69,-4157.38 h51
  text "THIS DOCUMENT CONTAINS INFORMATION" at 13854.41,-4184.8 h63
  text "THIS DOCUMENT CONTAINS INFORMATION" at 13854.41,-4184.8 h63
  text "___ PUBI (PUBLIC INFORMATION)" at 11010.41,-4219.8 h63
  text "___ PUBI (PUBLIC INFORMATION)" at 11010.41,-4219.8 h63
  text "NXP SEMICONDUCTORS" at 17261.41,-4308.8 h225
  text "NXP SEMICONDUCTORS" at 17261.41,-4308.8 h225
  text "PROPRIETARY TO NXP AND SHALL" at 13854.41,-4309.8 h63
  text "PROPRIETARY TO NXP AND SHALL" at 13854.41,-4309.8 h63
  text "C 0.5mm(Design Recommend)" at 1687.77,-4334.96 h25
  text "C 0.5mm(Design Recommend)" at 1687.77,-4334.96 h25
  text "NOT BE USED FOR ENGINEERING DESIGN" at 13854.41,-4434.8 h63
  text "NOT BE USED FOR ENGINEERING DESIGN" at 13854.41,-4434.8 h63
  text "___ NIUO (NXP INTERNAL USE ONLY)" at 11010.41,-4519.8 h63
  text "___ NIUO (NXP INTERNAL USE ONLY)" at 11010.41,-4519.8 h63
  text "X" at 11050.41,-4519.8 h100
  text "X" at 11050.41,-4519.8 h100
  text "PROCUREMENT OR MANUFACTURE IN WHOLE" at 13854.41,-4559.8 h63
  text "PROCUREMENT OR MANUFACTURE IN WHOLE" at 13854.41,-4559.8 h63
  text "OR IN PART WITHOUT THE CONSENT OF" at 13854.41,-4684.8 h63
  text "OR IN PART WITHOUT THE CONSENT OF" at 13854.41,-4684.8 h63
  text "NXP." at 13854.41,-4809.8 h63
  text "NXP." at 13854.41,-4809.8 h63
  text "___ NCP (NXP CONFIDENTIAL PROPRIETARY)" at 11010.41,-4819.8 h63
  text "___ NCP (NXP CONFIDENTIAL PROPRIETARY)" at 11010.41,-4819.8 h63
  text "6501 WILLIAM CANNON DRIVE WEST  AUSTIN, TEXAS 78735 USA" at 16444.41,-4864.8 h94
  text "6501 WILLIAM CANNON DRIVE WEST  AUSTIN, TEXAS 78735 USA" at 16444.41,-4864.8 h94
  text "ALL PARTS, MATERIALS AND FINISHED" at 8584.73,-5141.18 h63
  text "ASSEMBLY SHALL MEET THE RoHS" at 8584.73,-5225.18 h63
  text "COMMISSION DELEGATED DIRECTIVE (EU)" at 8584.73,-5309.18 h63
  text "2015/863 OF 31 MARCH  2015 AMENDING" at 8584.73,-5393.18 h63
  text "04/09/24" at 15504.41,-5449.8 h100
  text "04/09/24" at 15504.41,-5449.8 h100
  text "FRDM-IMX93" at 18025,-5450 h175
  text "FRDM-IMX93" at 18025,-5450 h175
  text "FORLINX" at 13910.41,-5461.8 h100
  text "FORLINX" at 13910.41,-5461.8 h100
  text "ANNEX II TO DIRECTIVE 2011/65/EU. A" at 8584.73,-5477.18 h63
  text "CERTIFICATE OF COMPLIANCE IS" at 8584.73,-5561.18 h63
  text "REQUIRED UPON REQUEST." at 8584.73,-5645.18 h63
  text "FORLINX" at 13900,-5870 h100
  text "04/09/24" at 15500.41,-5869.8 h100
  text "04/09/24" at 15500.41,-5869.8 h100
  text "ALL PARTS, MATERIALS AND FINISHED" at 8560.73,-6100.18 h63
  text "ASSEMBLY SHALL NOT CONTAIN ANY OF" at 8560.73,-6184.18 h63
  text "FORLINX" at 13930,-6225 h100
  text "04/09/24" at 15494.41,-6264.8 h100
  text "04/09/24" at 15494.41,-6264.8 h100
  text "THE SUBSTANCES OF VERY HIGH CONCERN" at 8560.73,-6268.18 h63
  text "B" at 21210.7,-6273.26 h175
  text "B" at 21210.7,-6273.26 h175
  text "LAY-94611" at 16784.41,-6284.8 h125
  text "LAY-94611" at 16784.41,-6284.8 h125
  text "FAB-94611" at 18890.41,-6284.8 h175
  text "FAB-94611" at 18890.41,-6284.8 h175
  text "(SVHC) ABOVE THE THRESHOLD VALUE PER" at 8560.73,-6352.18 h63
  text "THE CURRENT ECHA LIST OF SVHC'S AND" at 8560.73,-6436.18 h63
  text "WITH ANNEX XIV AND ANNEX XVII OF REACH" at 8560.73,-6515.18 h63
  text "DIRECTIVE 76/769/EEC. A CERTIFICATE OF" at 8560.73,-6599.18 h63
  text "COMPLIANCE IS REQUIRED UPON REQUEST." at 8560.73,-6683.18 h63
  text "1/1" at 16830.41,-6684.8 h125
  text "1" at 20380.41,-6684.8 h125
  text "1" at 21280.41,-6684.8 h125
Badge_Outline:
  circle w1: c3996.06,2421.26 r118.12
  circle w1: c3996.06,2421.26 r118.12
  circle w1: c137.8,2421.26 r53.15
  circle w1: c137.8,2421.26 r53.15
  circle w1: c137.8,137.79 r53.15
  circle w1: c137.8,137.79 r53.15
  circle w1: c2066.93,137.79 r118.11
  circle w1: c2066.93,137.79 r118.11
  circle w1: c2066.93,2421.26 r53.15
  circle w1: c2066.93,2421.26 r53.15
  circle w1: c137.8,137.79 r118.11
  circle w1: c137.8,137.79 r118.11
  circle w1: c3996.06,925.19 r53.15
  circle w1: c3996.06,925.19 r53.15
  circle w1: c3996.06,2421.26 r53.15
  circle w1: c3996.06,2421.26 r53.15
  circle w1: c137.8,2421.26 r118.11
  circle w1: c137.8,2421.26 r118.11
  circle w1: c2066.93,137.79 r53.15
  circle w1: c2066.93,137.79 r53.15
  circle w1: c3996.06,925.19 r118.12
  circle w1: c3996.06,925.19 r118.12
  circle w1: c2066.93,2421.26 r118.11
  circle w1: c2066.93,2421.26 r118.11
  lines w1: 0,137.79 ccw(c137.8,137.8) 137.8,0 ; 0,137.79 ccw(c137.8,137.8) 137.8,0 ; 0,137.79 ccw(c137.79,137.79) 137.8,0 ; 0,137.79 ccw(c137.79,137.79) 137.8,0 ; 0,137.79 0,2421.26 ; 0,137.79 0,2421.26 ; 0,137.79 0,2421.26 ; 0,137.79 0,2421.26 ; 0,2421.26 cw(c137.79,2421.26) 137.8,2559.05 ; 0,2421.26 cw(c137.79,2421.26) 137.8,2559.05 ; 0,2421.26 cw(c137.79,2421.26) 137.8,2559.05 ; 0,2421.26 cw(c137.79,2421.26) 137.8,2559.05 ; 137.8,0 836.62,0 ; 137.8,0 836.62,0 ; 137.8,0 836.62,0 ; 137.8,0 836.62,0 ; 137.8,2559.05 3996.07,2559.05 ; 137.8,2559.05 3996.07,2559.05 ; 137.8,2559.05 2066.93,2559.05 137.8,2559.05 ; 836.62,0 836.62,11.81 ; 836.62,0 836.62,11.81 ; 836.62,11.81 1053.15,11.81 ; 836.62,11.81 1053.15,11.81 ; 1053.15,0 2066.93,0 1053.15,0 ; 1053.15,0 1053.15,11.81 ; 1053.15,0 1053.15,11.81 ; 1053.15,0 3996.07,0 ; 1053.15,0 3996.07,0 ; 3996.07,0 ccw(c3996.07,137.79) 4133.86,137.79 ; 3996.07,0 ccw(c3996.07,137.79) 4133.86,137.79 ; 3996.07,2559.05 cw(c3996.07,2421.26) 4133.86,2421.26 ; 3996.07,2559.05 cw(c3996.07,2421.26) 4133.86,2421.26 ; 4133.86,137.79 4133.86,2421.26 ; 4133.86,137.79 4133.86,2421.26

## Text inside footprints (layer, text, board x,y; h text height)
BH1: Bottom Pin Number "1" at 1807.47,695.42 h25
BH2: Top Pin Number "1" at 133.8,2421.26 h10
BH3: Top Pin Number "1" at 2062.93,2421.26 h10
BH4: Top Pin Number "1" at 3992.06,2421.25 h10
BH5: Top Pin Number "1" at 3992.06,905.51 h10
BH6: Top Pin Number "1" at 2062.93,137.79 h10
BH7: Top Pin Number "1" at 133.8,137.79 h10
C101: Bottom Pin Number "1" at 821.14,1562.23 h10 r180; Bottom Pin Number "2" at 845.38,1562.23 h10 r180
C102: Bottom Pin Number "1" at 818.96,1601 h10 r180; Bottom Pin Number "2" at 843.2,1601 h10 r180
C106: Bottom Pin Number "2" at 942.71,1560.05 h10 r180; Bottom Pin Number "1" at 918.47,1560.05 h10 r180
C107: Bottom Pin Number "1" at 872.38,1557.06 h10 r90; Bottom Pin Number "2" at 872.38,1532.82 h10 r90
C108: Bottom Pin Number "1" at 862.95,1505.52 h10 r270; Bottom Pin Number "2" at 862.95,1471.71 h10 r270
C109: Bottom Pin Number "1" at 918.57,1579.49 h10 r180; Bottom Pin Number "2" at 942.81,1579.49 h10 r180
C110: Bottom Pin Number "1" at 871.35,1599.76 h10 r90; Bottom Pin Number "2" at 871.35,1575.52 h10 r90
C111: Bottom Pin Number "1" at 882.58,1542.11 h10 r270; Bottom Pin Number "2" at 882.58,1566.35 h10 r270
C114: Bottom Pin Number "1" at 896.67,1530.09 h10 r90; Bottom Pin Number "2" at 896.67,1505.85 h10 r90
C116: Bottom Pin Number "1" at 902.05,964.43 h10; Bottom Pin Number "2" at 877.81,964.43 h10
C117: Bottom Pin Number "1" at 1037.19,928.92 h10 r180; Bottom Pin Number "2" at 1061.43,928.92 h10 r180
C118: Bottom Pin Number "1" at 798.09,1551.58 h10; Bottom Pin Number "2" at 773.85,1551.58 h10
C119: Bottom Pin Number "1" at 1179.27,2096.77 h10 r90; Bottom Pin Number "2" at 1179.27,2072.53 h10 r90
C124: Bottom Pin Number "1" at 938.96,1531.56 h10 r270; Bottom Pin Number "2" at 938.96,1497.75 h10 r270
C129: Bottom Pin Number "1" at 1086.7,1663.38 h10 r90; Bottom Pin Number "2" at 1086.7,1639.14 h10 r90
C130: Bottom Pin Number "1" at 908.44,1644.4 h10 r90; Bottom Pin Number "2" at 908.44,1620.16 h10 r90
C131: Bottom Pin Number "1" at 809.64,1479.67 h10 r180; Bottom Pin Number "2" at 833.88,1479.67 h10 r180
C132: Bottom Pin Number "1" at 871,1657.36 h10 r90; Bottom Pin Number "2" at 871,1633.12 h10 r90
C134: Bottom Pin Number "1" at 991.9,1587.62 h10; Bottom Pin Number "2" at 967.66,1587.62 h10
C135: Bottom Pin Number "1" at 809.35,1521.59 h10 r180; Bottom Pin Number "2" at 833.59,1521.59 h10 r180
C136: Bottom Pin Number "1" at 940.17,1436.08 h10 r270; Bottom Pin Number "2" at 940.17,1402.27 h10 r270
C137: Bottom Pin Number "1" at 947.76,1485.02 h10 r90; Bottom Pin Number "2" at 947.76,1460.78 h10 r90
C138: Bottom Pin Number "1" at 1016.97,1371.63 h10 r270; Bottom Pin Number "2" at 1016.97,1395.87 h10 r270
C139: Bottom Pin Number "1" at 780.09,907.2 h10 r180; Bottom Pin Number "2" at 804.33,907.2 h10 r180
C140: Bottom Pin Number "1" at 977.36,1409.39 h10 r270; Bottom Pin Number "2" at 977.36,1433.63 h10 r270
C141: Bottom Pin Number "1" at 1155.42,766.24 h10 r270; Bottom Pin Number "2" at 1155.42,790.48 h10 r270
C142: Top Pin Number "2" at 1314.92,1392.88 h15; Top Pin Number "1" at 1368.92,1392.88 h15
C143: Top Pin Number "2" at 1314.92,1452.88 h15; Top Pin Number "1" at 1368.92,1452.88 h15
C144: Bottom Pin Number "1" at 796.77,1427.77 h10; Bottom Pin Number "2" at 772.53,1427.77 h10
C145: Bottom Pin Number "1" at 1000.71,1509.86 h10; Bottom Pin Number "2" at 976.47,1509.86 h10
C146: Bottom Pin Number "1" at 936.76,1591.09 h10 r270; Bottom Pin Number "2" at 936.76,1615.33 h10 r270
C147: Bottom Pin Number "1" at 832.79,1670 h10 r90; Bottom Pin Number "2" at 832.79,1645.76 h10 r90
C148: Bottom Pin Number "1" at 793.7,1667.19 h10; Bottom Pin Number "2" at 769.46,1667.19 h10
C149: Bottom Pin Number "1" at 796.28,1468.83 h10; Bottom Pin Number "2" at 772.04,1468.83 h10
C151: Bottom Pin Number "2" at 861.47,1402.15 h10 r270; Bottom Pin Number "1" at 861.47,1435.96 h10 r270
C152: Bottom Pin Number "1" at 797.32,1062.84 h10; Bottom Pin Number "2" at 773.08,1062.84 h10
C153: Bottom Pin Number "1" at 800.74,560.8 h10 r270; Bottom Pin Number "2" at 800.74,585.04 h10 r270
C154: Bottom Pin Number "1" at 988.46,612.57 h10 r270; Bottom Pin Number "2" at 988.46,636.81 h10 r270
C155: Bottom Pin Number "1" at 1067.38,2129.71 h10 r270; Bottom Pin Number "2" at 1067.38,2153.95 h10 r270
C156: Bottom Pin Number "1" at 988.38,1471.58 h10; Bottom Pin Number "2" at 964.14,1471.58 h10
C201: Bottom Pin Number "1" at 1160.72,972.47 h10 r270; Bottom Pin Number "2" at 1160.72,938.66 h10 r270
C202: Bottom Pin Number "1" at 737.91,690.94 h10 r90; Bottom Pin Number "2" at 737.91,724.75 h10 r90
C203: Bottom Pin Number "1" at 1207.43,2141.63 h10 r270; Bottom Pin Number "2" at 1207.43,2165.87 h10 r270
C204: Bottom Pin Number "1" at 1089.95,1483.73 h10 r90; Bottom Pin Number "2" at 1089.95,1459.49 h10 r90
C205: Bottom Pin Number "1" at 990.63,1551.23 h10; Bottom Pin Number "2" at 966.39,1551.23 h10
C206: Bottom Pin Number "1" at 1167.6,868.48 h10 r90; Bottom Pin Number "2" at 1167.6,902.29 h10 r90
C207: Bottom Pin Number "1" at 801.65,740.66 h10 r90; Bottom Pin Number "2" at 801.65,774.47 h10 r90
C208: Bottom Pin Number "1" at 1014.21,1007.13 h10 r90; Bottom Pin Number "2" at 1014.21,982.89 h10 r90
C209: Bottom Pin Number "1" at 1177.34,2220.7 h10; Bottom Pin Number "2" at 1153.1,2220.7 h10
C210: Bottom Pin Number "1" at 910.94,1481.52 h10 r90; Bottom Pin Number "2" at 910.94,1457.28 h10 r90
C211: Bottom Pin Number "1" at 988.9,714.36 h10 r270; Bottom Pin Number "2" at 988.9,738.6 h10 r270
C212: Bottom Pin Number "1" at 999.98,1441.65 h10 r180; Bottom Pin Number "2" at 1024.22,1441.65 h10 r180
C213: Bottom Pin Number "1" at 905.72,715.24 h10 r270; Bottom Pin Number "2" at 905.72,739.48 h10 r270
C214: Bottom Pin Number "1" at 937.72,949 h10 r270; Bottom Pin Number "2" at 937.72,973.24 h10 r270
C215: Bottom Pin Number "1" at 734.81,637.68 h10 r270; Bottom Pin Number "2" at 734.81,603.87 h10 r270
C216: Bottom Pin Number "1" at 1156.85,613.19 h10 r270; Bottom Pin Number "2" at 1156.85,637.43 h10 r270
C217: Bottom Pin Number "1" at 830.94,968.46 h10 r270; Bottom Pin Number "2" at 830.94,992.7 h10 r270
C218: Bottom Pin Number "1" at 907.38,559.71 h10 r270; Bottom Pin Number "2" at 907.38,583.95 h10 r270
C219: Bottom Pin Number "1" at 1067.38,1118.01 h10 r90; Bottom Pin Number "2" at 1067.38,1093.77 h10 r90
C220: Bottom Pin Number "1" at 820.58,1410.27 h10 r270; Bottom Pin Number "2" at 820.58,1434.51 h10 r270
C221: Bottom Pin Number "1" at 944.63,1078.68 h10 r90; Bottom Pin Number "2" at 944.63,1054.44 h10 r90
C222: Bottom Pin Number "1" at 897.6,1407.93 h10 r270; Bottom Pin Number "2" at 897.6,1432.17 h10 r270
C401: Top Pin Number "1" at 428.22,1689.71 h10 r90; Top Pin Number "2" at 428.22,1713.95 h10 r90
C402: Top Pin Number "1" at 417.38,1675.29 h10 r270; Top Pin Number "2" at 417.38,1651.05 h10 r270
C403: Top Pin Number "1" at 437.38,1850.29 h10 r270; Top Pin Number "2" at 437.38,1826.05 h10 r270
C404: Top Pin Number "1" at 448.22,1869.71 h10 r90; Top Pin Number "2" at 448.22,1893.95 h10 r90
C405: Top Pin Number "1" at 385.46,1559.85 h10 r180; Top Pin Number "2" at 419.27,1559.85 h10 r180
C501: Bottom Pin Number "1" at 1118.95,2134.34 h10 r270; Bottom Pin Number "2" at 1118.95,2100.53 h10 r270
C502: Bottom Pin Number "1" at 949.22,1679.29 h10 r90; Bottom Pin Number "2" at 949.22,1655.05 h10 r90
C503: Bottom Pin Number "1" at 987.72,1679.29 h10 r90; Bottom Pin Number "2" at 987.72,1655.05 h10 r90
C504: Bottom Pin Number "1" at 1151.27,2007.16 h10 r270; Bottom Pin Number "2" at 1151.27,1973.35 h10 r270
C505: Bottom Pin Number "1" at 782.89,1019.85 h10 r90; Bottom Pin Number "2" at 782.89,995.61 h10 r90
C506: Bottom Pin Number "1" at 1218.97,2220.39 h10; Bottom Pin Number "2" at 1194.73,2220.39 h10
C507: Bottom Pin Number "1" at 1051.88,741.65 h10 r180; Bottom Pin Number "2" at 1076.12,741.65 h10 r180
C508: Bottom Pin Number "1" at 1253,2007.17 h10; Bottom Pin Number "2" at 1228.76,2007.17 h10
C509: Bottom Pin Number "1" at 1253.05,2032.98 h10; Bottom Pin Number "2" at 1228.81,2032.98 h10
C701: Bottom Pin Number "2" at 1885.68,1177.88 h15; Bottom Pin Number "1" at 1831.68,1177.88 h15
C702: Bottom Pin Number "2" at 1885.68,1117.88 h15; Bottom Pin Number "1" at 1831.68,1117.88 h15
C703: Bottom Pin Number "2" at 1884.92,1047.88 h15 r90; Bottom Pin Number "1" at 1884.92,993.88 h15 r90
C704: Bottom Pin Number "1" at 1931.65,1000.66 h10 r90; Bottom Pin Number "2" at 1931.65,1034.47 h10 r90
C705: Bottom Pin Number "2" at 1794.92,1032.88 h15 r90; Bottom Pin Number "1" at 1794.92,978.88 h15 r90
C706: Bottom Pin Number "1" at 2078.46,1136.15 h10; Bottom Pin Number "2" at 2112.27,1136.15 h10
C707: Bottom Pin Number "2" at 1650.68,1097.12 h15 r270; Bottom Pin Number "1" at 1650.68,1151.12 h15 r270
C708: Bottom Pin Number "2" at 1710.68,1097.12 h15 r270; Bottom Pin Number "1" at 1710.68,1151.12 h15 r270
C709: Bottom Pin Number "2" at 2030.68,982.12 h15 r270; Bottom Pin Number "1" at 2030.68,1036.12 h15 r270
C710: Bottom Pin Number "2" at 1719.92,1312.88 h15 r90; Bottom Pin Number "1" at 1719.92,1258.88 h15 r90
C711: Bottom Pin Number "2" at 1659.92,1312.88 h15 r90; Bottom Pin Number "1" at 1659.92,1258.88 h15 r90
C712: Bottom Pin Number "2" at 2101.92,1282.88 h15 r90; Bottom Pin Number "1" at 2101.92,1228.88 h15 r90